# KiCad board TS_FPGA_Module_Rev2.kicad_pcb (continued)
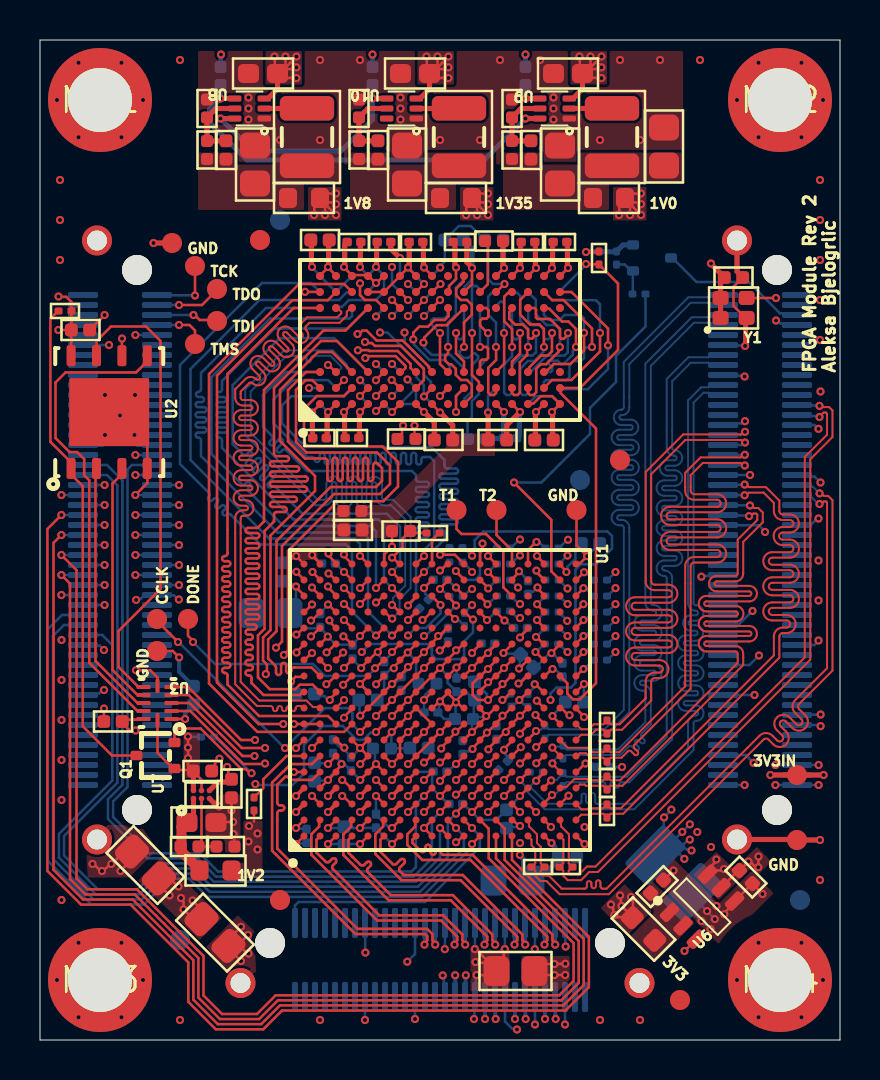
[diagram p0: board, top side]
## Routing (per net, layer and track width the routed paths; a pad name or vN(x,y) marks a point on that pad's centre or on a via; arc(x,y) is an arc through that point) (continued)
/FPGA_Banks_14_15_DDR3/DDR3_D9: length 33.6
  Top Layer w0.127: 14.84,16.64 v1(15.2,17) ; U4.C3 14.6,34.4 13.9,34.4 12,32.5 12,29.95 13.75,28.2 13.75,27.45 11.53,25.23 11.53,20.5 11.15,20.12 11.15,18.97 11.35,18.78 11.35,18.35 v1(11.29,18.29)
  Int2 (Sign) w0.127: v1(11.29,18.29) 10.61,18.29 10.47,18.43 10.47,18.98 10.7,19.2 11.6,19.2 11.86,18.94 arc(11.89,18.9) 11.9,18.85 11.9,18.38 arc(12.02,18.25) 12.15,18.38 12.15,18.73 arc(12.28,18.86) 12.41,18.73 12.41,18.46 arc(12.53,18.33) 12.66,18.46 12.66,18.85 arc(12.79,18.98) 12.91,18.85 12.91,18.72 arc(13.04,18.6) 13.17,18.72 arc(13.2,18.81) 13.29,18.85 13.59,18.85 14.24,18.2 16.15,18.2 16.39,17.96 16.39,17.64 15.76,17 v1(15.2,17)
/FPGA_Banks_14_15_DDR3/DDR3_D10: length 33
  Top Layer w0.127: U1.D8 15.21,15.41 10.87,15.41 8.45,17.83 8.45,33.3 12.95,37.8 15.2,37.8 U4.C8
/FPGA_Banks_14_15_DDR3/DDR3_D11: length 37.5
  Top Layer w0.127: U4.C2 15.2,32.2 13.85,32.2 13.2,31.55 13.2,29.86 13.39,29.68 17.12,29.68 17.9,28.9 17.9,27.67 17.17,26.94 14.88,26.94 12.4,24.46 12.4,19.46 12.19,19.26 v1(12.19,19.25) ; v1(15.16,17.76) 15.56,18.16
  Int2 (Sign) w0.127: v1(12.19,19.25) 12.19,19.78 11.96,20.01 9.99,20.01 9.47,19.5 9.47,16.75 9.75,16.48 10.05,16.48 arc(10.14,16.44) 10.18,16.35 arc(10.31,16.22) 10.43,16.35 10.43,16.48 arc(10.56,16.6) 10.69,16.48 10.69,16.36 arc(10.81,16.24) 10.94,16.36 10.94,16.48 arc(11.07,16.61) 11.19,16.48 11.19,16.35 arc(11.32,16.22) 11.45,16.35 arc(11.49,16.44) 11.58,16.48 13.41,16.48 14.33,17.4 14.8,17.4 v1(15.16,17.76)
/FPGA_Banks_14_15_DDR3/DDR3_D12: length 34.8
  Top Layer w0.127: U4.A7 12.67,36.6 9.38,33.3 9.38,24.32 arc(9.34,24.23) 9.25,24.2 9.23,24.2 arc(9.1,24.07) 9.23,23.94 9.39,23.94 arc(9.52,23.81) 9.39,23.69 9.23,23.69 arc(9.1,23.56) 9.23,23.43 9.39,23.43 arc(9.52,23.31) 9.39,23.18 9.23,23.18 arc(9.1,23.05) 9.23,22.93 9.39,22.93 arc(9.52,22.8) 9.39,22.67 9.23,22.67 arc(9.1,22.54) 9.23,22.42 9.39,22.42 arc(9.52,22.29) 9.39,22.16 9.23,22.16 arc(9.1,22.04) 9.23,21.91 9.39,21.91 arc(9.52,21.78) 9.39,21.66 9.23,21.66 arc(9.1,21.53) 9.23,21.4 9.39,21.4 arc(9.52,21.27) 9.39,21.15 9.23,21.15 arc(9.1,21.02) 9.23,20.89 9.39,20.89 arc(9.52,20.77) 9.39,20.64 9.23,20.64 arc(9.1,20.51) 9.23,20.39 9.39,20.39 arc(9.52,20.26) 9.39,20.13 9.23,20.13 arc(9.1,20) 9.23,19.88 9.39,19.88 arc(9.52,19.75) 9.39,19.62 9.23,19.62 arc(9.1,19.5) 9.23,19.37 9.39,19.37 arc(9.52,19.24) 9.39,19.12 9.23,19.12 arc(9.1,18.99) 9.23,18.86 9.39,18.86 arc(9.52,18.73) 9.39,18.61 9.23,18.61 arc(9.1,18.48) 9.23,18.35 9.25,18.35 arc(9.34,18.32) 9.38,18.23 9.38,17.78 10.95,16.2 14.4,16.2 U1.C8
/FPGA_Banks_14_15_DDR3/DDR3_D13: length 35.8
  Top Layer w0.127: v1(14.32,17.79) 14.36,17.79 14.72,18.16 14.76,18.16 ; U4.A2 14,32.61 13.61,32.99 13.29,32.99 12.8,32.51 12.8,29.9 13.32,29.38 16.85,29.38 17.5,28.73 17.5,27.8 17,27.3 14.7,27.3 12.1,24.7 12.1,19.92 v1(11.8,19.62)
  Int2 (Sign) w0.127: v1(11.8,19.62) 11.79,19.62 10.47,19.62 10,19.15 10,17.75 10.22,17.53 11.35,17.53 arc(11.44,17.49) 11.48,17.4 11.48,17.19 arc(11.61,17.06) 11.74,17.19 11.74,17.52 arc(11.86,17.65) 11.99,17.52 11.99,17.03 arc(12.12,16.91) 12.24,17.03 12.24,17.44 arc(12.37,17.57) 12.5,17.44 12.5,17.03 arc(12.62,16.91) 12.75,17.03 12.75,17.49 arc(12.88,17.62) 13.01,17.49 13.01,17.03 arc(13.13,16.91) 13.26,17.03 13.26,17.52 arc(13.39,17.65) 13.51,17.52 13.51,17.28 arc(13.64,17.15) 13.77,17.28 13.77,17.4 arc(13.81,17.49) 13.89,17.53 14.05,17.53 v1(14.32,17.79)
/FPGA_Banks_14_15_DDR3/DDR3_D14: length 33.9
  Top Layer w0.127: v1(15.2,16.11) 15.2,16.15 15.56,16.52 15.56,16.56 ; U4.B8 14.39,36.99 12.62,36.99 8.85,33.23 8.85,17.88 10.92,15.8 v1(12.16,15.8)
  Int2 (Sign) w0.127: v1(12.16,15.8) 12.16,15.78 12.64,15.3 13.04,15.3 arc(13.13,15.34) 13.17,15.43 13.17,15.79 arc(13.29,15.92) 13.42,15.79 13.42,15.42 arc(13.55,15.29) 13.68,15.42 13.68,16.01 arc(13.8,16.14) 13.93,16.01 13.93,15.43 arc(13.97,15.34) 14.06,15.3 14.39,15.3 v1(15.2,16.11)
/FPGA_Banks_14_15_DDR3/DDR3_D15: length 37.7
  Top Layer w0.127: U4.A3 13.3,33.4 12.4,32.5 12.4,29.93 13.25,29.08 14.24,29.08 arc(14.33,29.04) 14.37,28.95 14.37,28.07 arc(14.5,27.94) 14.63,28.07 14.63,28.99 arc(14.75,29.12) 14.88,28.99 14.88,28.07 arc(15.01,27.94) 15.13,28.07 15.13,28.99 arc(15.26,29.12) 15.39,28.99 15.39,28.07 arc(15.51,27.94) 15.64,28.07 15.64,28.99 arc(15.77,29.12) 15.9,28.99 15.9,28.07 arc(16.02,27.94) 16.15,28.07 16.15,28.99 arc(16.28,29.12) 16.4,28.99 16.4,28.07 arc(16.53,27.94) 16.66,28.07 16.66,28.74 arc(16.74,28.85) 16.87,28.83 17.1,28.6 17.1,27.95 16.8,27.65 14.53,27.65 11.82,24.95 11.82,20.44 11.41,20.02 11.41,19.07 11.76,18.72 arc(11.79,18.68) 11.8,18.63 11.8,18.38 arc(11.93,18.25) 12.05,18.38 12.05,18.73 arc(12.18,18.86) 12.31,18.73 12.31,18.46 arc(12.44,18.33) 12.56,18.46 12.56,18.5 arc(12.6,18.59) 12.69,18.62 13.58,18.62 U1.B11
/FPGA_Banks_14_15_DDR3/DDR3_D16: length 29.1
  Top Layer w0.127: v1(13.62,23.4) 13.62,23.39 13.96,23.05 13.96,23.04
  Int2 (Sign) w0.127: v1(16.8,36.18) 16.77,36.21 16.53,36.21 16.53,36.21 15.28,36.21 13.62,34.55 13.62,33.85 13.04,33.26 13.04,32.34 arc(13,32.25) 12.91,32.21 12.82,32.21 arc(12.69,32.09) 12.82,31.96 13.1,31.96 arc(13.23,31.83) 13.1,31.71 12.82,31.71 arc(12.69,31.58) 12.82,31.45 13.09,31.45 arc(13.21,31.33) 13.09,31.2 12.82,31.2 arc(12.69,31.07) 12.82,30.94 13.1,30.94 arc(13.23,30.82) 13.1,30.69 12.82,30.69 arc(12.69,30.56) 12.82,30.44 13.1,30.44 arc(13.23,30.31) 13.1,30.18 12.82,30.18 arc(12.69,30.06) 12.82,29.93 13.1,29.93 arc(13.23,29.8) 13.1,29.67 12.82,29.67 arc(12.69,29.55) 12.82,29.42 13.1,29.42 arc(13.23,29.29) 13.1,29.17 12.82,29.17 arc(12.69,29.04) 12.82,28.91 13.1,28.91 arc(13.23,28.79) 13.1,28.66 12.82,28.66 arc(12.69,28.53) 12.82,28.4 13.1,28.4 arc(13.23,28.28) 13.1,28.15 12.82,28.15 arc(12.69,28.02) 12.82,27.9 13.1,27.9 arc(13.23,27.77) 13.1,27.64 12.82,27.64 arc(12.69,27.52) 12.82,27.39 13.1,27.39 arc(13.23,27.26) 13.1,27.13 12.82,27.13 arc(12.69,27.01) 12.82,26.88 13.1,26.88 arc(13.23,26.75) 13.1,26.63 12.82,26.63 arc(12.69,26.5) 12.82,26.37 13.1,26.37 arc(13.23,26.25) 13.1,26.12 12.82,26.12 arc(12.69,25.99) 12.82,25.86 13.1,25.86 arc(13.23,25.74) 13.1,25.61 12.82,25.61 arc(12.69,25.48) 12.82,25.36 13.1,25.36 arc(13.23,25.23) 13.1,25.1 12.82,25.1 arc(12.69,24.98) 12.82,24.85 12.91,24.85 arc(13,24.81) 13.04,24.72 13.04,24.59 13.2,24.43 13.2,24.1 13.57,23.73 13.57,23.45 v1(13.62,23.4)
  Bottom Layer w0.127: U5.E3 17.2,36.59 16.8,36.19 v1(16.8,36.18)
/FPGA_Banks_14_15_DDR3/DDR3_D17: length 30.2
  Top Layer w0.127: v1(15.2,22.6) 15.56,22.24
  Int2 (Sign) w0.127: v1(17.6,33.8) 17.33,34.08 17.15,34.08 17.05,34.17 17.05,34.28 17.13,34.35 18.05,34.35 18.12,34.42 18.12,34.58 18.05,34.65 16.75,34.65 16.65,34.75 16.65,34.88 16.76,34.98 18.14,34.98 18.49,34.63 18.49,33.72 17.98,33.21 17.98,32.68 17.9,32.6 17.28,32.6 17.19,32.68 17.19,33.28 17.08,33.39 16.52,33.39 16.4,33.28 16.4,26.48 arc(16.44,26.4) 16.53,26.36 16.83,26.36 arc(16.95,26.23) 16.83,26.1 16.48,26.1 arc(16.35,25.98) 16.48,25.85 16.83,25.85 arc(16.95,25.72) 16.83,25.6 16.48,25.6 arc(16.35,25.47) 16.48,25.34 16.83,25.34 arc(16.95,25.21) 16.83,25.09 16.48,25.09 arc(16.35,24.96) 16.48,24.83 16.83,24.83 arc(16.95,24.71) 16.83,24.58 16.52,24.58 arc(16.39,24.45) 16.52,24.33 16.83,24.33 arc(16.95,24.2) 16.83,24.07 16.52,24.07 arc(16.39,23.94) 16.52,23.82 16.83,23.82 arc(16.95,23.69) 16.83,23.56 16.53,23.56 arc(16.44,23.53) 16.4,23.44 16.4,23.13 16.28,23 15.84,23 15.6,22.76 15.6,22.3 15.51,22.21 14.8,22.21 14.72,22.28 14.72,22.45 14.88,22.6 v1(15.2,22.6)
  Bottom Layer w0.127: v1(17.6,33.8) U5.F7
/FPGA_Banks_14_15_DDR3/DDR3_D18: length 29.7
  Top Layer w0.127: v1(16,21.8) 16.36,22.16
  Int2 (Sign) w0.127: v1(17.6,38.65) 17.2,38.25 14.65,38.25 9.88,33.48 9.88,23.93 13.22,20.58 15.36,20.58 16,21.23 v1(16,21.8)
  Bottom Layer w0.127: U5.F2 17.6,37.8 v1(17.6,38.65)
/FPGA_Banks_14_15_DDR3/DDR3_D19: length 32.1
  Top Layer w0.127: v1(16,22.6) 16.36,22.96
  Int2 (Sign) w0.127: v1(17.6,32.2) 17.21,31.81 17.21,30.93 arc(17.24,30.84) 17.33,30.8 17.46,30.8 arc(17.58,30.67) 17.46,30.55 16.78,30.55 arc(16.66,30.42) 16.78,30.29 17.46,30.29 arc(17.58,30.16) 17.46,30.04 16.78,30.04 arc(16.66,29.91) 16.78,29.78 17.46,29.78 arc(17.58,29.66) 17.46,29.53 16.78,29.53 arc(16.66,29.4) 16.78,29.28 17.46,29.28 arc(17.58,29.15) 17.46,29.02 16.78,29.02 arc(16.66,28.89) 16.78,28.77 17.46,28.77 arc(17.58,28.64) 17.46,28.51 16.78,28.51 arc(16.66,28.39) 16.78,28.26 17.46,28.26 arc(17.58,28.13) 17.46,28.01 16.78,28.01 arc(16.66,27.88) 16.78,27.75 17.46,27.75 arc(17.58,27.62) 17.46,27.5 16.78,27.5 arc(16.66,27.37) 16.78,27.24 17.46,27.24 arc(17.58,27.12) 17.46,26.99 16.78,26.99 arc(16.66,26.86) 16.78,26.74 17.08,26.74 arc(17.17,26.7) 17.21,26.61 17.21,20.78 17.05,20.62 16.5,20.62 16.41,20.53 16.41,20.05 16.16,19.81 15.84,19.81 15.61,20.04 15.61,20.36 16.24,21 16.73,21 16.8,21.07 16.8,21.41 16.73,21.48 16.48,21.48 16.41,21.56 16.41,22.53 16.33,22.6 v1(16,22.6)
  Bottom Layer w0.127: v1(17.6,32.2) U5.F8
/FPGA_Banks_14_15_DDR3/DDR3_D20: length 29.2
  Top Layer w0.127: v1(14.4,22.68) 14.4,22.64 14.76,22.28 14.76,22.24
  Int2 (Sign) w0.127: v1(14.4,22.68) 13.92,22.2 12.5,22.2 10.92,23.78 10.92,24.4 arc(10.89,24.49) 10.8,24.53 10.78,24.53 arc(10.65,24.66) 10.78,24.79 10.81,24.79 arc(10.93,24.91) 10.81,25.04 10.78,25.04 arc(10.65,25.17) 10.78,25.29 10.81,25.29 arc(10.93,25.42) 10.81,25.55 10.78,25.55 arc(10.65,25.67) 10.78,25.8 10.81,25.8 arc(10.93,25.93) 10.81,26.06 10.78,26.06 arc(10.65,26.18) 10.78,26.31 10.81,26.31 arc(10.93,26.44) 10.81,26.56 10.78,26.56 arc(10.65,26.69) 10.78,26.82 10.81,26.82 arc(10.93,26.94) 10.81,27.07 10.78,27.07 arc(10.65,27.2) 10.78,27.33 10.81,27.33 arc(10.93,27.45) 10.81,27.58 10.78,27.58 arc(10.65,27.71) 10.78,27.83 10.81,27.83 arc(10.93,27.96) 10.81,28.09 10.78,28.09 arc(10.65,28.21) 10.78,28.34 10.81,28.34 arc(10.93,28.47) 10.81,28.6 10.79,28.6 arc(10.67,28.72) 10.79,28.85 10.81,28.85 arc(10.93,28.98) 10.81,29.1 10.8,29.1 arc(10.67,29.23) 10.8,29.36 arc(10.89,29.39) 10.92,29.48 10.92,33.4 14.71,37.18 17.23,37.18 17.44,37.39 18.56,37.39 18.81,37.15 18.81,36.59 v1(19.2,36.2)
  Bottom Layer w0.127: v1(19.2,36.2) U5.H3
/FPGA_Banks_14_15_DDR3/DDR3_D21: length 30.9
  Top Layer w0.127: U1.C18 14.8,23.85 14.48,24.17 14.48,24.27 v1(14.42,24.33)
  Int2 (Sign) w0.127: v1(17,35.38) 16.97,35.41 16.61,35.41 16.32,35.7 15.7,35.7 14.8,34.8 14.8,30.29 arc(14.76,30.2) 14.67,30.17 14.37,30.17 arc(14.24,30.04) 14.37,29.91 14.81,29.91 arc(14.94,29.78) 14.81,29.66 14.36,29.66 arc(14.24,29.53) 14.36,29.4 14.81,29.4 arc(14.94,29.28) 14.81,29.15 14.36,29.15 arc(14.24,29.02) 14.36,28.9 14.81,28.9 arc(14.94,28.77) 14.81,28.64 14.36,28.64 arc(14.24,28.51) 14.36,28.39 14.81,28.39 arc(14.94,28.26) 14.81,28.13 14.37,28.13 arc(14.24,28.01) 14.37,27.88 14.81,27.88 arc(14.94,27.75) 14.81,27.63 14.37,27.63 arc(14.24,27.5) 14.37,27.37 14.81,27.37 arc(14.94,27.24) 14.81,27.12 14.37,27.12 arc(14.24,26.99) 14.37,26.86 14.81,26.86 arc(14.94,26.74) 14.81,26.61 14.37,26.61 arc(14.24,26.48) 14.37,26.36 14.81,26.36 arc(14.94,26.23) 14.81,26.1 14.37,26.1 arc(14.24,25.97) 14.37,25.85 14.81,25.85 arc(14.94,25.72) 14.81,25.59 14.37,25.59 arc(14.24,25.47) 14.37,25.34 14.81,25.34 arc(14.94,25.21) 14.81,25.09 14.36,25.09 arc(14.23,24.96) 14.36,24.83 14.67,24.83 arc(14.76,24.79) 14.8,24.7 14.8,24.45 14.7,24.35 14.45,24.35 v1(14.42,24.33)
  Bottom Layer w0.127: v1(17,35.38) 17,35.37 17.38,35.37 19.19,33.56 19.19,33.26 19.55,32.9 19.55,32.65 U5.H8
/FPGA_Banks_14_15_DDR3/DDR3_D22: length 30.7
  Top Layer w0.127: v1(15.2,21.8) 15.56,21.44
  Int2 (Sign) w0.127: v1(18.4,37.8) 17.4,37.8 17.04,37.44 14.41,37.44 10.4,33.43 10.4,32.77 arc(10.44,32.68) 10.53,32.64 10.54,32.64 arc(10.67,32.51) 10.54,32.39 10.26,32.39 arc(10.13,32.26) 10.26,32.13 10.54,32.13 arc(10.67,32.01) 10.54,31.88 10.26,31.88 arc(10.13,31.75) 10.26,31.62 10.54,31.62 arc(10.67,31.5) 10.54,31.37 10.26,31.37 arc(10.13,31.24) 10.26,31.12 10.54,31.12 arc(10.67,30.99) 10.54,30.86 10.26,30.86 arc(10.13,30.74) 10.26,30.61 10.54,30.61 arc(10.67,30.48) 10.54,30.35 10.26,30.35 arc(10.13,30.23) 10.26,30.1 10.27,30.1 arc(10.36,30.06) 10.4,29.97 10.4,23.85 12.88,21.38 14.8,21.38 15.21,21.79
  Bottom Layer w0.127: v1(18.4,37.8) U5.G2
/FPGA_Banks_14_15_DDR3/DDR3_D23: length 29.4
  Top Layer w0.127: v1(14.42,23.33) 14.45,23.33 14.74,23.04 14.76,23.04
  Int2 (Sign) w0.127: v1(18.22,35.38) 17.56,35.38 17.15,35.78 16.64,35.78 16.47,35.95 16.42,35.95 16.42,35.95 15.53,35.95 14,34.42 14,30.82 arc(13.96,30.73) 13.87,30.69 arc(13.75,30.56) 13.87,30.44 13.9,30.44 arc(14.02,30.31) 13.9,30.18 13.65,30.18 arc(13.52,30.06) 13.65,29.93 13.9,29.93 arc(14.02,29.8) 13.9,29.67 13.6,29.67 arc(13.47,29.55) 13.6,29.42 13.9,29.42 arc(14.02,29.29) 13.9,29.17 13.6,29.17 arc(13.47,29.04) 13.6,28.91 13.9,28.91 arc(14.02,28.79) 13.9,28.66 13.6,28.66 arc(13.47,28.53) 13.6,28.4 13.9,28.4 arc(14.02,28.28) 13.9,28.15 13.6,28.15 arc(13.47,28.02) 13.6,27.9 13.9,27.9 arc(14.02,27.77) 13.9,27.64 13.6,27.64 arc(13.47,27.52) 13.6,27.39 13.9,27.39 arc(14.02,27.26) 13.9,27.13 13.6,27.13 arc(13.47,27.01) 13.6,26.88 13.9,26.88 arc(14.02,26.75) 13.9,26.63 13.6,26.63 arc(13.47,26.5) 13.6,26.37 13.9,26.37 arc(14.02,26.25) 13.9,26.12 13.6,26.12 arc(13.47,25.99) 13.6,25.86 13.9,25.86 arc(14.02,25.74) 13.9,25.61 13.6,25.61 arc(13.47,25.48) 13.6,25.36 13.9,25.36 arc(14.02,25.23) 13.9,25.1 13.6,25.1 arc(13.47,24.98) 13.6,24.85 13.87,24.85 arc(13.96,24.81) 14,24.72 14,23.73 14.4,23.33 v1(14.42,23.33)
  Bottom Layer w0.127: v1(18.22,35.38) 18.24,35.36 18.24,34.87 19.44,33.67 19.44,33.61 19.6,33.46 U5.H7
/FPGA_Banks_14_15_DDR3/DDR3_D24: length 29
  Top Layer w0.127: v1(17.6,23.4) 17.96,23.04
  Bottom Layer w0.127: U5.D7 14.71,35.09 11.98,35.09 9.63,32.75 9.63,29.8 10.15,29.28 arc(10.24,29.24) 10.33,29.28 10.42,29.36 arc(10.51,29.4) 10.6,29.36 arc(10.63,29.27) 10.6,29.18 10.33,28.92 arc(10.29,28.83) 10.33,28.74 arc(10.42,28.7) 10.51,28.74 10.84,29.07 arc(10.93,29.11) 11.02,29.07 arc(11.06,28.98) 11.02,28.89 10.69,28.56 arc(10.65,28.47) 10.69,28.38 arc(10.78,28.34) 10.87,28.38 11.2,28.71 arc(11.29,28.75) 11.38,28.71 arc(11.42,28.62) 11.38,28.53 11.05,28.2 arc(11.01,28.11) 11.05,28.02 arc(11.14,27.98) 11.23,28.02 11.56,28.35 arc(11.65,28.39) 11.74,28.35 arc(11.77,28.26) 11.74,28.17 11.41,27.84 arc(11.37,27.75) 11.41,27.66 arc(11.5,27.62) 11.59,27.66 11.59,27.66 arc(11.68,27.7) 11.77,27.66 13.12,26.32 17.35,26.32 18,25.67 18,23.8 v1(17.6,23.4)
/FPGA_Banks_14_15_DDR3/DDR3_D25: length 26.2
  Top Layer w0.127: v1(16.8,22.6) 17.16,22.96
  Bottom Layer w0.127: U5.C3 15.6,36.2 15.47,36.08 11.5,36.08 8.57,33.15 8.57,29.3 9.68,28.2 10.07,27.8 arc(10.16,27.77) 10.25,27.8 10.31,27.86 arc(10.4,27.9) 10.49,27.86 arc(10.52,27.77) 10.49,27.68 10.43,27.62 arc(10.39,27.53) 10.43,27.44 12.17,25.7 16.54,25.7 16.8,25.44 v1(16.8,22.6)
/FPGA_Banks_14_15_DDR3/DDR3_D26: length 30.1
  Top Layer w0.127: 18.84,23.04 v1(19.2,23.4)
  Bottom Layer w0.127: v1(19.2,23.4) 19.61,23.81 19.61,24.42 20.22,25.04 20.22,25.4 arc(20.19,25.49) 20.1,25.53 20.09,25.53 arc(19.96,25.65) 20.09,25.78 20.78,25.78 arc(20.91,25.91) 20.78,26.03 20.09,26.03 arc(19.96,26.16) 20.09,26.29 20.78,26.29 arc(20.91,26.42) 20.78,26.54 20.09,26.54 arc(19.96,26.67) 20.09,26.8 20.78,26.8 arc(20.91,26.92) 20.78,27.05 20.09,27.05 arc(19.96,27.18) 20.09,27.3 20.78,27.3 arc(20.91,27.43) 20.78,27.56 20.09,27.56 arc(19.96,27.69) 20.09,27.81 20.78,27.81 arc(20.91,27.94) 20.78,28.07 20.09,28.07 arc(19.96,28.19) 20.09,28.32 20.78,28.32 arc(20.91,28.45) 20.78,28.57 20.35,28.57 arc(20.26,28.61) 20.22,28.7 20.22,29 19.57,29.65 13.28,29.65 12.1,30.83 12.1,31.73 12.57,32.19 15.19,32.19 U5.C8
/FPGA_Banks_14_15_DDR3/DDR3_D27: length 25.5
  Top Layer w0.127: v1(16,24.2) 16.36,23.84
  Bottom Layer w0.127: v1(16,24.2) 16,24.8 15.72,25.08 11.45,25.08 7.53,29 7.53,33.55 10.97,37 14.95,37 14.96,37.01 14.96,37.01 15.32,37.37 15.57,37.37 U5.C2
/FPGA_Banks_14_15_DDR3/DDR3_D28: length 29.2
  Top Layer w0.127: v1(18.4,21.73) 18.4,21.76 18.76,22.12 18.76,22.16
  Bottom Layer w0.127: v1(18.4,21.73) 18.8,22.13 18.8,24.99 arc(18.84,25.08) 18.93,25.11 19.33,25.11 arc(19.45,25.24) 19.33,25.37 18.91,25.37 arc(18.78,25.5) 18.91,25.62 19.33,25.62 arc(19.45,25.75) 19.33,25.88 18.91,25.88 arc(18.78,26) 18.91,26.13 19.33,26.13 arc(19.45,26.26) 19.33,26.38 18.91,26.38 arc(18.78,26.51) 18.91,26.64 19.33,26.64 arc(19.45,26.77) 19.33,26.89 18.91,26.89 arc(18.78,27.02) 18.91,27.15 19.33,27.15 arc(19.45,27.27) 19.33,27.4 18.91,27.4 arc(18.78,27.53) 18.91,27.65 19.33,27.65 arc(19.45,27.78) 19.33,27.91 18.93,27.91 arc(18.84,27.95) 18.8,28.04 18.8,28.25 18.6,28.45 13.36,28.45 12.31,29.5 arc(12.22,29.53) 12.13,29.5 12.04,29.41 arc(11.95,29.37) 11.86,29.41 arc(11.83,29.5) 11.86,29.59 12.12,29.85 arc(12.16,29.94) 12.12,30.03 arc(12.03,30.06) 11.94,30.03 11.68,29.77 arc(11.59,29.73) 11.5,29.77 arc(11.47,29.86) 11.5,29.95 11.59,30.04 arc(11.63,30.13) 11.59,30.22 11.15,30.66 11.15,32.25 12.3,33.4 U5.A7
/FPGA_Banks_14_15_DDR3/DDR3_D29: length 30.8
  Top Layer w0.127: 17.16,20.59 17.16,20.57 16.81,20.23 v1(16.8,20.23)
  Bottom Layer w0.127: v1(16.8,20.23) 15.6,21.43 15.6,24.48 15.3,24.78 11.03,24.78 9.52,26.28 arc(9.43,26.31) 9.34,26.28 9.33,26.27 arc(9.25,26.23) 9.16,26.27 arc(9.12,26.36) 9.16,26.45 9.23,26.52 arc(9.27,26.61) 9.23,26.7 arc(9.14,26.74) 9.05,26.7 8.98,26.63 arc(8.89,26.59) 8.8,26.63 arc(8.76,26.72) 8.8,26.81 8.87,26.88 arc(8.91,26.97) 8.87,27.06 arc(8.78,27.1) 8.69,27.06 8.62,26.99 arc(8.53,26.95) 8.44,26.99 arc(8.4,27.07) 8.44,27.16 8.45,27.17 arc(8.48,27.26) 8.45,27.35 7,28.8 7,33.75 11.1,37.85 13.55,37.85 U5.A2
/FPGA_Banks_14_15_DDR3/DDR3_D30: length 29.1
  Top Layer w0.127: 18.84,23.84 v1(19.2,24.2)
  Bottom Layer w0.127: U5.B8 14.41,32.99 12.64,32.99 11.67,32.03 11.67,30.83 13.36,29.15 13.6,29.15 arc(13.69,29.11) 13.73,29.02 arc(13.86,28.9) 13.99,29.02 13.99,29.23 arc(14.11,29.35) 14.24,29.23 14.24,28.9 arc(14.37,28.77) 14.49,28.9 14.49,29.24 arc(14.62,29.36) 14.75,29.24 14.75,28.9 arc(14.87,28.77) 15,28.9 15,29.24 arc(15.13,29.36) 15.26,29.24 15.26,28.9 arc(15.38,28.77) 15.51,28.9 15.51,29.24 arc(15.64,29.36) 15.76,29.24 15.76,28.9 arc(15.89,28.77) 16.02,28.9 16.02,29.24 arc(16.14,29.36) 16.27,29.24 16.27,28.9 arc(16.4,28.77) 16.53,28.9 16.53,29.24 arc(16.65,29.36) 16.78,29.24 16.78,28.9 arc(16.91,28.77) 17.03,28.9 17.03,29.24 arc(17.16,29.36) 17.29,29.24 17.29,28.9 arc(17.41,28.77) 17.54,28.9 17.54,29.24 arc(17.67,29.36) 17.8,29.24 17.8,28.9 arc(17.92,28.77) 18.05,28.9 18.05,29.24 arc(18.18,29.36) 18.3,29.24 18.3,28.9 arc(18.43,28.77) 18.56,28.9 18.56,29.24 arc(18.68,29.36) 18.81,29.24 18.81,28.9 arc(18.94,28.77) 19.07,28.9 19.07,29.02 arc(19.1,29.11) 19.19,29.15 19.5,29.15 19.71,28.94 19.71,25.01 19.2,24.5 19.2,24.2 v1(19.2,24.2)
/FPGA_Banks_14_15_DDR3/DDR3_D31: length 30.9
  Top Layer w0.127: v1(17.6,20.23) 17.61,20.23 17.96,20.57 17.96,20.59
  Bottom Layer w0.127: U5.A3 11.3,36.6 8.05,33.35 8.05,32.53 arc(8.01,32.44) 7.92,32.4 arc(7.8,32.28) 7.92,32.15 8.08,32.15 arc(8.21,32.02) 8.08,31.9 7.91,31.9 arc(7.78,31.77) 7.91,31.64 8.19,31.64 arc(8.32,31.52) 8.19,31.39 7.91,31.39 arc(7.78,31.26) 7.91,31.13 8.19,31.13 arc(8.32,31.01) 8.19,30.88 7.91,30.88 arc(7.78,30.75) 7.91,30.63 8.19,30.63 arc(8.32,30.5) 8.19,30.37 7.91,30.37 arc(7.78,30.25) 7.91,30.12 7.92,30.12 arc(8.01,30.08) 8.05,29.99 8.05,29.2 11.88,25.38 16.14,25.38 16.4,25.11 16.4,21.43 v1(17.6,20.23)
/FPGA_Banks_14_15_DDR3/DDR3_DM0: length 31.8
  Top Layer w0.127: 13.97,19.03 v1(14.4,18.6) ; U4.E7 16.8,37 16.25,37 16,37.25 v1(16,37.83)
  Int3 (Sign) w0.127: v1(16,37.83) 15.12,36.95 12.65,36.95 7.53,31.83 7.53,22.3 10.75,19.08 11.07,19.08 11.79,18.35 14.12,18.35 14.37,18.6 v1(14.4,18.6)
/FPGA_Banks_14_15_DDR3/DDR3_DM1: length 39.7
  Top Layer w0.127: U4.D3 14.85,34.95 14.05,34.95 11.7,32.6 11.7,29.32 arc(11.74,29.23) 11.83,29.19 12.32,29.19 arc(12.45,29.07) 12.32,28.94 11.62,28.94 arc(11.5,28.81) 11.62,28.68 12.83,28.68 arc(12.96,28.56) 12.83,28.43 11.62,28.43 arc(11.5,28.3) 11.62,28.18 13.26,28.18 arc(13.39,28.05) 13.26,27.92 11.62,27.92 arc(11.5,27.8) 11.62,27.67 13.23,27.67 arc(13.36,27.54) 13.23,27.41 11.62,27.41 arc(11.5,27.29) 11.62,27.16 12.72,27.16 arc(12.85,27.03) 12.72,26.91 11.62,26.91 arc(11.5,26.78) 11.62,26.65 12.21,26.65 arc(12.34,26.53) 12.21,26.4 11.83,26.4 arc(11.74,26.36) 11.7,26.27 11.7,25.93 11.22,25.45 11.22,20.56 10.9,20.23 10.9,18.13 11.49,17.54 12.77,17.54 12.99,17.77 13.63,17.77 U1.B10
/FPGA_Banks_14_15_DDR3/DDR3_DM2: length 33.2
  Top Layer w0.127: 15.56,23.84 15.2,24.2 v1(15.2,24.28)
  Int2 (Sign) w0.127: v1(15.2,24.28) 15.22,24.29 15.49,24.29 15.59,24.4 15.59,24.66 arc(15.56,24.75) 15.47,24.79 15.29,24.79 arc(15.16,24.92) 15.29,25.05 15.97,25.05 arc(16.1,25.17) 15.97,25.3 15.31,25.3 arc(15.19,25.43) 15.31,25.55 15.98,25.55 arc(16.11,25.68) 15.98,25.81 15.31,25.81 arc(15.19,25.93) 15.31,26.06 15.98,26.06 arc(16.11,26.19) 15.98,26.32 15.31,26.32 arc(15.19,26.44) 15.31,26.57 16.02,26.57 arc(16.15,26.7) 16.02,26.82 15.31,26.82 arc(15.19,26.95) 15.31,27.08 16.02,27.08 arc(16.15,27.2) 16.02,27.33 15.31,27.33 arc(15.19,27.46) 15.31,27.59 16.02,27.59 arc(16.15,27.71) 16.02,27.84 15.31,27.84 arc(15.18,27.97) 15.31,28.09 16.02,28.09 arc(16.15,28.22) 16.02,28.35 15.31,28.35 arc(15.18,28.47) 15.31,28.6 16.02,28.6 arc(16.15,28.73) 16.02,28.86 15.31,28.86 arc(15.18,28.98) 15.31,29.11 16.02,29.11 arc(16.15,29.24) 16.02,29.36 15.31,29.36 arc(15.18,29.49) 15.31,29.62 16.02,29.62 arc(16.15,29.74) 16.02,29.87 15.31,29.87 arc(15.18,30) 15.31,30.13 16.02,30.13 arc(16.15,30.25) 16.02,30.38 15.24,30.38 arc(15.11,30.51) 15.24,30.63 16.02,30.63 arc(16.15,30.76) 16.02,30.89 15.72,30.89 arc(15.63,30.92) 15.59,31.01 15.59,31.94 arc(15.56,32.03) 15.47,32.07 15.18,32.07 arc(15.05,32.2) 15.18,32.32 15.47,32.32 arc(15.56,32.36) 15.59,32.45 15.59,33.49 15.8,33.7 16.63,33.7 16.72,33.8 v1(16.8,33.8)
  Bottom Layer w0.127: v1(16.8,33.8) U5.E7
/FPGA_Banks_14_15_DDR3/DDR3_DM3: length 29.4
  Top Layer w0.127: v1(17.6,22.6) 17.96,22.24
  Bottom Layer w0.127: U5.D3 15.37,35.58 11.72,35.58 9.1,32.95 9.1,32.53 arc(9.06,32.44) 8.97,32.4 arc(8.85,32.27) 8.97,32.15 9.18,32.15 arc(9.31,32.02) 9.18,31.89 8.96,31.89 arc(8.83,31.77) 8.96,31.64 9.25,31.64 arc(9.38,31.51) 9.25,31.39 8.96,31.39 arc(8.83,31.26) 8.96,31.13 9.25,31.13 arc(9.38,31) 9.25,30.88 8.96,30.88 arc(8.83,30.75) 8.96,30.62 9.25,30.62 arc(9.38,30.5) 9.25,30.37 8.96,30.37 arc(8.83,30.24) 8.96,30.12 8.97,30.12 arc(9.06,30.08) 9.1,29.99 9.1,29.61 12.68,26.03 16.94,26.03 17.2,25.76 17.2,23 v1(17.6,22.6)
/FPGA_Banks_14_15_DDR3/DDR3_DQS0_N: length 35.7
  Top Layer w0.127: 15.94,34.59 16.03,34.49 16.43,34.49 16.47,34.45 17.89,34.45 18.53,33.81 18.53,33.6 18.73,33.4 U4.G3 ; 13.96,21.4 13.96,21.35 13.6,20.99 13.6,20.98
  Int3 (Sign) w0.1: v1(15.89,34.49) 15.89,34.43 15.72,34.25 15.28,34.25 15.1,34.43 13.51,34.43 11.35,32.27 11.35,30.49 arc(11.47,30.2) 11.76,30.08 12.59,30.08 arc(12.71,29.97) 12.59,29.85 11.5,29.85 arc(11.09,29.44) 11.5,29.03 12.59,29.03 arc(12.71,28.91) 12.59,28.8 11.5,28.8 arc(11.09,28.39) 11.5,27.97 12.59,27.97 arc(12.71,27.86) 12.59,27.75 11.5,27.75 arc(11.09,27.33) 11.5,26.92 12.59,26.92 arc(12.71,26.81) 12.59,26.69 11.5,26.69 arc(11.09,26.28) 11.5,25.86 12.59,25.86 arc(12.71,25.75) 12.59,25.64 11.76,25.64 arc(11.47,25.52) 11.35,25.22 11.35,22.39 12.64,21.09 13.35,21.09 13.42,21.02 13.55,21.02
  vias: v1(13.55,20.97)
/FPGA_Banks_14_15_DDR3/DDR3_DQS0_P: length 36.5
  Top Layer w0.127: 14.47,20.93 14.76,20.64 14.76,20.64 ; 14.47,20.93 v1(14.47,20.98) ; 14.47,20.93 14.42,20.98 ; U4.F3 18.07,33.4 18.27,33.6 18.27,33.7 17.78,34.19 16.16,34.19
  Int3 (Sign) w0.1: v1(16.27,34.1) 16.21,34.04 15.99,34.04 15.9,33.95 15.16,33.95 14.98,34.13 13.63,34.13 11.65,32.15 11.65,31.93 arc(11.68,31.85) 11.76,31.81 11.92,31.81 arc(12.03,31.7) 11.92,31.59 11.76,31.59 arc(11.65,31.47) 11.76,31.36 11.92,31.36 arc(12.03,31.25) 11.92,31.13 11.76,31.13 arc(11.68,31.1) 11.65,31.02 11.65,30.49 arc(11.68,30.41) 11.76,30.38 12.59,30.38 arc(13.01,29.97) 12.59,29.55 11.5,29.55 arc(11.39,29.44) 11.5,29.33 12.59,29.33 arc(13.01,28.91) 12.59,28.5 11.5,28.5 arc(11.39,28.39) 11.5,28.27 12.59,28.27 arc(13.01,27.86) 12.59,27.45 11.5,27.45 arc(11.39,27.33) 11.5,27.22 12.59,27.22 arc(13.01,26.81) 12.59,26.39 11.5,26.39 arc(11.39,26.28) 11.5,26.16 12.59,26.16 arc(13.01,25.75) 12.59,25.34 11.76,25.34 arc(11.68,25.3) 11.65,25.22 11.65,22.51 12.76,21.39 13.73,21.39 14.12,21 14.38,21 14.41,20.98
